# Altium PCB Motion_Driver_v2.PcbDoc (part 1 of 2) (continued)
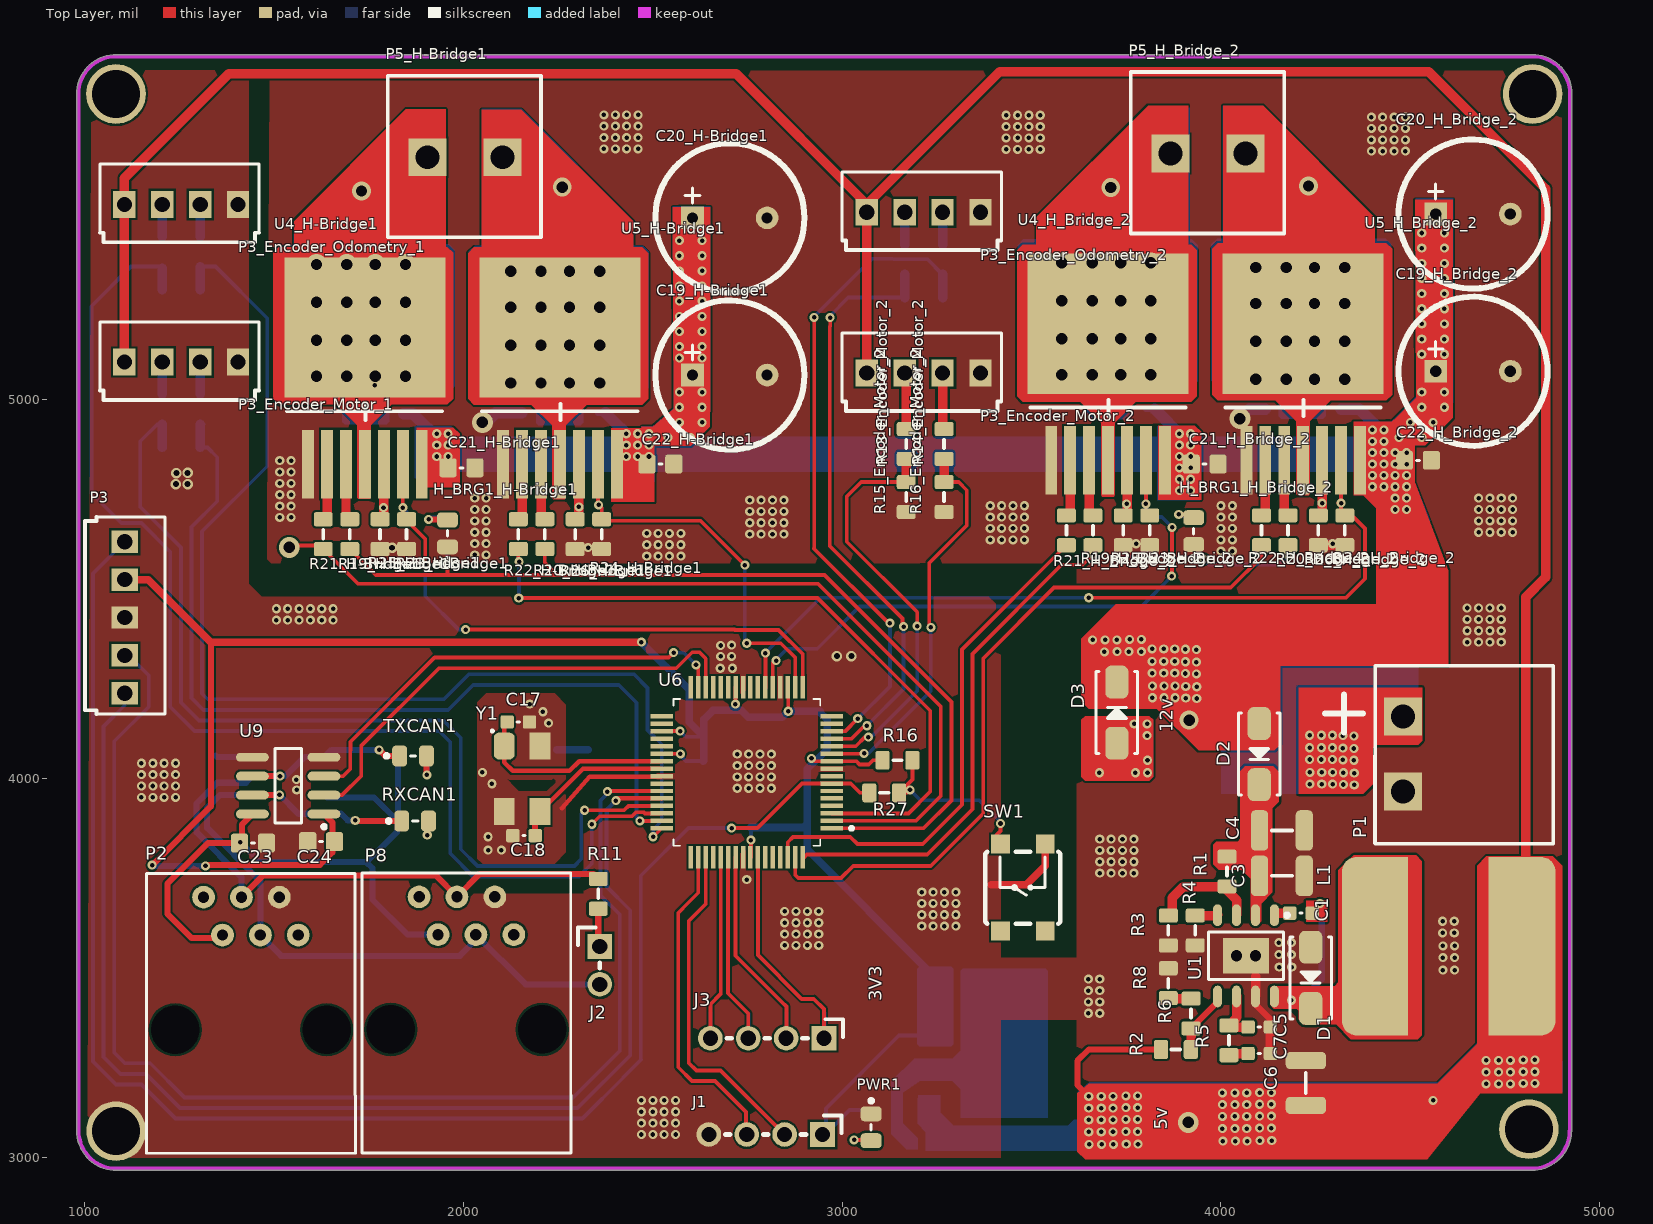
[diagram p0: Top Layer view]
## Components (designator, comment, footprint, x,y, rotation, side; value= is the part's Value field where it differs from the comment) (continued)
R14_Encoder_Motor_2 "2k" RESC2013X38N-0805-NOOVERLAY 3269,4883 r180 top (schematic designator R14)
R14_Encoder_Odometry_1 "2k" RESC2013X38N-0805-NOOVERLAY 1305,5390.63 r0 bottom (schematic designator R14)
R14_Encoder_Odometry_2 "2k" RESC2013X38N-0805-NOOVERLAY 3265,5370 r0 bottom (schematic designator R14)
R15_Encoder_Motor_1 "3k9" RESC2013X38N-0805-NOOVERLAY 1205,4834.37 r0 bottom (schematic designator R15)
R15_Encoder_Motor_2 "3k9" RESC2013X38N-0805-NOOVERLAY 3169,4743 r180 top (schematic designator R15)
R15_Encoder_Odometry_1 "3k9" RESC2013X38N-0805-NOOVERLAY 1205,5250.63 r0 bottom (schematic designator R15)
R15_Encoder_Odometry_2 "3k9" RESC2013X38N-0805-NOOVERLAY 3165,5230 r0 bottom (schematic designator R15)
R16 "10k" RESC2013X38N-0805-NOOVERLAY 3146,4048 r270 top
R16_Encoder_Motor_1 "3k9" RESC2013X38N-0805-NOOVERLAY 1305,4834.37 r0 bottom (schematic designator R16)
R16_Encoder_Motor_2 "3k9" RESC2013X38N-0805-NOOVERLAY 3269,4743 r180 top (schematic designator R16)
R16_Encoder_Odometry_1 "3k9" RESC2013X38N-0805-NOOVERLAY 1305,5250.63 r0 bottom (schematic designator R16)
R16_Encoder_Odometry_2 "3k9" RESC2013X38N-0805-NOOVERLAY 3265,5230 r0 bottom (schematic designator R16)
R17 "10k" RESC2013X38N-0805-NOOVERLAY 2953,3420 r180 bottom
R18_H-Bridge1 "1k" RESC2013X38N-0805-NOOVERLAY 1958,4647 r180 bottom (schematic designator R18)
R18_H_Bridge_2 "1k" RESC2013X38N-0805-NOOVERLAY 3927.98,4653 r180 bottom (schematic designator R18)
R19_H-Bridge1 "10k" RESC2013X38N-0805-NOOVERLAY 1700,4645 r0 top (schematic designator R19)
R19_H_Bridge_2 "10k" RESC2013X38N-0805-NOOVERLAY 3662,4655 r0 top (schematic designator R19)
R20_H-Bridge1 "10k" RESC2013X38N-0805-NOOVERLAY 2215,4645 r0 top (schematic designator R20)
R20_H_Bridge_2 "10k" RESC2013X38N-0805-NOOVERLAY 4177,4655 r0 top (schematic designator R20)
R21_H-Bridge1 "10k" RESC2013X38N-0805-NOOVERLAY 1630,4645 r0 top (schematic designator R21)
R21_H_Bridge_2 "10k" RESC2013X38N-0805-NOOVERLAY 3592,4655 r0 top (schematic designator R21)
R22_H-Bridge1 "10k" RESC2013X38N-0805-NOOVERLAY 2145,4645 r0 top (schematic designator R22)
R22_H_Bridge_2 "10k" RESC2013X38N-0805-NOOVERLAY 4107,4655 r0 top (schematic designator R22)
R23_H-Bridge1 "1k" RESC2013X38N-0805-NOOVERLAY 1850,4645 r180 top (schematic designator R23)
R23_H_Bridge_2 "1k" RESC2013X38N-0805-NOOVERLAY 3812,4655 r180 top (schematic designator R23)
R24_H-Bridge1 "1k" RESC2013X38N-0805-NOOVERLAY 2365,4645 r180 top (schematic designator R24)
R24_H_Bridge_2 "1k" RESC2013X38N-0805-NOOVERLAY 4327,4655 r180 top (schematic designator R24)
R25_H-Bridge1 "470R" RESC2013X38N-0805-NOOVERLAY 1780,4645 r180 top (schematic designator R25)
R25_H_Bridge_2 "470R" RESC2013X38N-0805-NOOVERLAY 3742,4655 r180 top (schematic designator R25)
R26_H-Bridge1 "470R" RESC2013X38N-0805-NOOVERLAY 2295,4645 r180 top (schematic designator R26)
R26_H_Bridge_2 "470R" RESC2013X38N-0805-NOOVERLAY 4257,4655 r180 top (schematic designator R26)
R27 "1k" RESC2013X38N-0805-NOOVERLAY 3111,3962 r270 top
R28 "10k" RESC2013X38N-0805-NOOVERLAY 2853,3419 r180 bottom
R29 "10k" RESC2013X38N-0805-NOOVERLAY 2753,3419 r180 bottom
R30 "10k" RESC2013X38N-0805-NOOVERLAY 2652,3419 r180 bottom
RXCAN1 "LED GREEN" LED_GREEN_0805 1872.5,3887.59 r0 top
SW1 "TASTER" TASTER_SMD 3477,3712 r270 top
TXCAN1 "LED GREEN" LED_GREEN_0805 1867.09,4059.39 r0 top
U1 "TPS54340" HSOP-8 4066.06,3531.62 r270 top
U2 "SN65HVD230DR" SOIC-8 1538,3981.37 r180 bottom
U3 "LM2937-5" SOT223 3366,3231 r90 bottom
U4_H-Bridge1 "BTN8962TAAUMA1" TO263-7 1574.25,4739.45 r0 top (schematic designator U4)
U4_H_Bridge_2 "BTN8962TAAUMA1" TO263-7 3536.25,4749.45 r0 top (schematic designator U4)
U5_H-Bridge1 "BTN8962TAAUMA1" TO263-7 2089.25,4739.45 r0 top (schematic designator U5)
U5_H_Bridge_2 "BTN8962TAAUMA1" TO263-7 4051.25,4749.45 r0 top (schematic designator U5)
U6 "PIC32MK1024MCF064" TQFP-64-500um 2748.04,4016.05 r90 top
U9 "ADUM1201BRZ-RL7" SOIC-8 1537,3981.37 r180 top
Y1 "8Hz" ABM10 2155,3999 r270 top

## Footprints (in the part's own frame and the unit in brackets; to place one, negate y for a bottom-side part, rotate by r counter-clockwise, add the part's x,y. Pads: shape width x height; smd on the part's side, far side on the other; paste and mask are expansions set on the pad)
ABM10 [mm] "0.098\" L x 0.079\" W (2.50mm x 2.00mm)"
  rrect50% 1.8x1.4 smd: 1(-2.2,-1.2)
  rect 1.8x1.4 smd: 2(2.2,-1.2) 3(2.2,1.2) 4(-2.2,1.2)
  silkscreen extent -3.24,-2.04 -3.16,-1.96, body extent -3,-1.7 3,1.9, height 1.21
CAP10X20_RADIAL [mil]
  rect 60x60 hole 29.53 paste-45.28: 1(0,0)
  round 60 hole 29.53 paste-45.28: 2(196.85,0)
  silkscreen extent -98,-197 295,197, body extent -98,-197 295,197, height 542
CER_0603 [mm]
  rrect30% 0.9x0.9 smd: 1(0,0.75) 2(0,-0.75)
  silkscreen extent 0,-0.08 0,0.08, body extent -0.4,-0.8 0.4,0.8, height 0.79
CER_0805 [mm]
  rrect30% 1.27x1.15 smd: 1(0,0.9) 2(0,-0.9)
  silkscreen extent 0,-0.1 0,0.1, body extent -0.62,-1 0.63,1, height 0.6
CER_1210 [mm]
  rrect50% 2.7x1.15 smd: 1(0.003,1.474) 2(0.003,-1.526)
  silkscreen extent 0,-0.71 0,0.66, body extent -1.25,-1.6 1.25,1.6, height 1
D2PAK-2 [mil]
  rect 54x183 smd: 1(-102.5,-163.06) 3(97.5,-163.06)
  rect 426x370 smd: 2(-2.5,316.8)
  silkscreen extent -207,-252 202,124, body extent -212,-180 208,445, height 190
DO214AC [mm] "Diode,Molded Body;5.105mm L X 2.665mm W X 2.29mm H"
  rrect50% 2.2x1.55 smd: 1(-2.05,0) 2(2.05,0)
  silkscreen extent -2.75,-1.4 2.75,1.4, body extent -2.75,-1.4 2.75,1.4, height 2.6
HM1x2 [mil] "Single row pin header 1x2, 2.54mm"
  rect 65x65 hole 40: 1(-50,0)
  round 65 hole 40: 2(50,0)
  silkscreen extent -100,-57 7,0, body extent -100,-57 100,57, height 335
HM1X4 [mil] "Contact Mating Length-6.00mm"
  rect 65x65 hole 40: 1(-150,0)
  round 65 hole 40: 2(-50,0) 3(50,0) 4(150,0)
  silkscreen extent -200,-50 107,0, body extent -200,-50 200,50, height 336
HSOP-8 [mm] "SOIC, 8-Leads, Body 4.90x3.90mm, Pitch 1.27mm, Thermal Pad 3.10x2.40mm, IPC Medium Density"
  oval 1.45x0.6 smd: 1(-2.725,1.905) 2(-2.725,0.635) 3(-2.725,-0.635) 4(-2.725,-1.905) 5(2.725,-1.905) 6(2.725,-0.635) 7(2.725,0.635) 8(2.725,1.905)
  rect 2.4x3.1 all layers, no hole: 9(0,0)
  silkscreen extent -2.85,-2.5 1.6,2.88, body extent -3.02,-2.36 3.01,2.34, height 1.7
INDUCTOR_SS1260-103MLD [mil]
  rect 75x472.44 smd: 1(144,15) 2(-144,15)
  rrect50% 157.48x472.44 smd: 1(202,15) 2(-205,15)
  body extent -247,-231 245,261, height 315
LED_GREEN_0805 [mm] "Diode GREEN;2.00mm L X 1.25mm W X 1.20mm H"
  rrect50% 1x1.4 smd: 1(-0.9,0) 2(0.9,0)
  silkscreen extent -1.9,-0.13 0.18,0.13, body extent -1.01,-0.62 1.01,0.63, height 1.1
LED_RED_0805 [mm] "Diode 2.00mm L X 1.25mm W X 1.20mm H"
  rrect50% 1x1.4 smd: 1(-0.9,0) 2(0.9,0)
  silkscreen extent -1.9,-0.13 0.18,0.13, body extent -1.05,-0.67 1.05,0.68, height 0.9
MOTOR_CON [mm]
  rect 2.54x2.54 hole 1.6: 1(0,0) 2(0,5.029)
  silkscreen extent -5.47,-2.67 5.36,7.62, body extent -5.22,-2.54 5.08,7.46, height 14
PWR_Con [mm]
  rect 2.54x2.54 hole 1.6: 1(0,0) 2(0,5.029)
  silkscreen extent -1.88,-3.51 10.06,8.42, body extent -2.01,-3.59 10,8.57, height 8.73
RESC2013X38N-0805-NOOVERLAY [mm] "Resistor,Chip;2.03mm L X 1.27mm W X 0.6mm H"
  rrect30% 1.27x0.95 smd: 1(0,1) 2(0,-1)
  silkscreen extent 0,-0.29 0,0.29, body extent -0.62,-1 0.63,1, height 0.5
RJ11-6N-B [mm] "RJ11 MODULAR JACK 6 POSITION, 1 PORT"
  round 1.524 hole 0.76: 1(7.19,3.76) 2(4.65,2.49) 3(7.19,1.22) 4(4.65,-0.05) 5(7.19,-1.32) 6(4.65,-2.59)
  round 0 hole 3.25: M1(-1.7,5.66) M2(-1.7,-4.5)
  silkscreen extent -9.98,-6.42 8.79,7.58, body extent -9.71,-6.01 8.49,7.29, height 11.5
SOIC-8 [mm]
  oval 2.2x0.6 smd: 1(-2.409,1.914) 2(-2.409,0.644) 3(-2.409,-0.626) 4(-2.409,-1.896) 5(2.391,-1.896) 6(2.391,-0.626) 7(2.391,0.644) 8(2.391,1.914)
  silkscreen extent -2.53,-2.49 0.89,2.89, body extent -2.84,-2.45 2.93,2.45, height 1.45
SOT223 [mm] "SOT-223/SC-73; 4 Leads; Body 6.7 x 7.3 mm, inc. leads (LxW max)"
  rect 1.1x2.15 smd: 1(-2.3,-3.1) 2(0,-3.1) 3(2.3,-3.1)
  rect 3.5x2.15 smd: 4(0,3.1)
  silkscreen extent -3.35,-4.7 3.35,1.63, body extent -3.25,-3.6 3.25,3.4, height 1.7
TANT_1210 [mm]
  rrect50% 2.7x1.15 smd: 1(0.003,1.474) 2(0.003,-1.526)
  silkscreen extent 0,-0.71 0,0.66, body extent -1.4,-1.83 1.4,1.83, height 1.92
TASTER_SMD [mil]
  rect 50x50 smd: 0(115,59.06) 0(115,-59.06) 1(-115,59.06) 2(-115,-59.06)
  silkscreen extent -94,-99 96,99, body extent -124,-99 124,99, height 130
"TE CONNECTIVITY_4PIN_MALE" [mm] "BLUE_4PIN_CONECTOR"
  rect 1.5x1.8 hole 1.016: 1(0,0) 2(2.54,0) 3(5.08,0) 4(7.62,0)
  silkscreen extent -1.65,-2.54 9.02,2.7, body extent -1.27,-2.5 8.89,2.5, height 11.43
"TE CONNECTIVITY_5PIN_MALE" [mm] "BLUE_5PIN_CONECTOR"
  rect 1.5x1.8 hole 1.016: 1(0,0) 2(2.54,0) 3(5.08,0) 4(7.62,0) 5(10.16,0)
  silkscreen extent -1.65,-2.67 11.56,2.7, body extent -1.4,-2.46 11.3,2.54, height 11.43
TO263-7 [mm]
  rect 0.8x4.6 smd: 1(0.4,2.3) 2(1.67,2.3) 3(2.94,2.3) 4(4.21,2.3) 5(5.48,2.3) 6(6.75,2.3) 7(8.02,2.3)
  rect 10.8x9.4 smd: 8(4.21,11.45)
  silkscreen extent -1.02,5.26 9.4,6.35, body extent -0.81,1.02 9.19,16.69, height 4.83
TQFP-64-500um [mm]
  rect 0.3x1.5 smd mask+0: 1(-3.75,-5.7) 2(-3.25,-5.7) 3(-2.75,-5.7) 4(-2.25,-5.7) 5(-1.75,-5.7) 6(-1.25,-5.7) 7(-0.75,-5.7) 8(-0.25,-5.7) 9(0.25,-5.7) 10(0.75,-5.7) 11(1.25,-5.7) 12(1.75,-5.7) 13(2.25,-5.7) 14(2.75,-5.7) 15(3.25,-5.7) 16(3.75,-5.7) 33(3.75,5.7) 34(3.25,5.7) 35(2.75,5.7) 36(2.25,5.7) 37(1.75,5.7) 38(1.25,5.7) 39(0.75,5.7) 40(0.25,5.7) 41(-0.25,5.7) 42(-0.75,5.7) 43(-1.25,5.7) 44(-1.75,5.7) 45(-2.25,5.7) 46(-2.75,5.7) 47(-3.25,5.7) 48(-3.75,5.7)
  rect 1.5x0.3 smd mask+0: 17(5.7,-3.75) 18(5.7,-3.25) 19(5.7,-2.75) 20(5.7,-2.25) 21(5.7,-1.75) 22(5.7,-1.25) 23(5.7,-0.75) 24(5.7,-0.25) 25(5.7,0.25) 26(5.7,0.75) 27(5.7,1.25) 28(5.7,1.75) 29(5.7,2.25) 30(5.7,2.75) 31(5.7,3.25) 32(5.7,3.75) 49(-5.7,3.75) 50(-5.7,3.25) 51(-5.7,2.75) 52(-5.7,2.25) 53(-5.7,1.75) 54(-5.7,1.25) 55(-5.7,0.75) 56(-5.7,0.25) 57(-5.7,-0.25) 58(-5.7,-0.75) 59(-5.7,-1.25) 60(-5.7,-1.75) 61(-5.7,-2.25) 62(-5.7,-2.75) 63(-5.7,-3.25) 64(-5.7,-3.75)
  silkscreen extent -4.92,-7.1 4.92,4.92, body extent -5.79,-5.76 5.79,5.82, height 1

## Part data
C1 C8 C9 C16 C23 C24 C25 C26 C27 C28 C29 C30: library part 06032105, "CAP CER 100n 10V X5R 10% 0603"
C2 C17_H-Bridge1 C17_H_Bridge_2 C18_H-Bridge1 C18_H_Bridge_2 C21_H-Bridge1 C21_H_Bridge_2 C22_H-Bridge1 C22_H_Bridge_2: library part 00002105, "CAP CER 100n 50V X7R 10% 0805"
C3 C4: library part 00001225, "CAP CER 2.2u"
C5: library part 06032680, "CAP CER 68p 0603"
C6: library part 00002108, "CAP CER 100u X5R 6.3V 10% 1210"
C7: library part 06032153, "CAP CER 15n 0603"
C10: library part 00001106, "CAP TANT 10u"
C11_H-Bridge1 C11_H_Bridge_2 C12_H-Bridge1 C12_H_Bridge_2 C13_H-Bridge1 C13_H_Bridge_2 C14_H-Bridge1 C14_H_Bridge_2: library part 00002205, "CAP CER 220n 10V X5R 10% 0805"
C15_H-Bridge1 C15_H_Bridge_2 C16_H-Bridge1 C16_H_Bridge_2: library part 00002105_1, "CAP CER 1n 50V X7R 10% 0805"
C17 C18: library part 00002200, "CAP CER 20p 0805"
C19_H-Bridge1 C19_H_Bridge_2 C20_H-Bridge1 C20_H_Bridge_2: library part 00004707, "CAP ALU 470u 25V 20%"
D1: "DIODE SCHOTTKY 60V 3A DO214AC"
D2: "DIODE SCHOTTKY 40V 3A DO214AC"
D3: library part ZENER, "DIODE ZENER"
H_BRG1_H-Bridge1 H_BRG1_H_Bridge_2 PWR1: library part LED_RED_0805, "LED RED 0805"
J1 J3: library part HEADER_1x4
J2: library part HEADER_1x2
L1: library part Inductor_10uH, "FIXED IND 10uH 5.3A"
P1: library part 00000002, "TERM BLOCK HDR 2POS 90DEG 5.08MM"
P2: library part 00000001
P3: library part "TE CONNECTIVITY_5PIN_MALE", "BLUE_5PIN_CONECTOR"
P3_Encoder_Motor_1 P3_Encoder_Motor_2 P3_Encoder_Odometry_1 P3_Encoder_Odometry_2: "BLUE_4PIN_CONECTOR"
P5_H-Bridge1 P5_H_Bridge_2: library part MOT_CONN, "CONNECTOR FOR MOTOR OUTPUT"
P8: library part 00000001, "CONN MOD JACK 6P4C R/A UNSHLD"
Q1: library part IRF9540N, "P-MOS"
R1: library part 00003303, "RES SMD 330 kOhm 1/8W 0805"
R2: library part 00005102, "RES SMD 51 kOhm 1/8W 0805"
R3: library part 00005602, "RES SMD 56 kOhm 1/8W 0805"
R4: library part 00001603, "RES SMD 160 kOhm 1/8W 0805"
R5: library part 00001502, "RES SMD 15 kOhm 1/8W 0805"
R6: library part 00009101, "RES SMD 9.1 kOhm 1/8W 0805"
R7: library part 00002701, "RES SMD 2.7 kOhm 1/8W 0805"
R8: library part 00006200, "RES SMD 620 Ohm 1/8W 0805"
R9 R10 R13 R18_H-Bridge1 R18_H_Bridge_2 R23_H-Bridge1 R23_H_Bridge_2 R24_H-Bridge1 R24_H_Bridge_2 R27: library part 00001001, "RES SMD 1 kOhm 1/8W 0805"
R11: library part 000001200, "RES SMD 120 Ohm 1/8W 0805"
R12 R16 R17 R19_H-Bridge1 R19_H_Bridge_2 R20_H-Bridge1 R20_H_Bridge_2 R21_H-Bridge1 R21_H_Bridge_2 R22_H-Bridge1 R22_H_Bridge_2 R28 R29 R30: library part 000001002, "RES SMD 10 kOhm 1/8W 0805"
R13_Encoder_Motor_1 R13_Encoder_Motor_2 R13_Encoder_Odometry_1 R13_Encoder_Odometry_2 R14_Encoder_Motor_1 R14_Encoder_Motor_2 R14_Encoder_Odometry_1 R14_Encoder_Odometry_2: library part 00002001, "RES SMD 2 kOhm 1/8W 0805"
R15_Encoder_Motor_1 R15_Encoder_Motor_2 R15_Encoder_Odometry_1 R15_Encoder_Odometry_2 R16_Encoder_Motor_1 R16_Encoder_Motor_2 R16_Encoder_Odometry_1 R16_Encoder_Odometry_2: library part 00003901, "RES SMD 3.9 kOhm 1/8W 0805"
R25_H-Bridge1 R25_H_Bridge_2 R26_H-Bridge1 R26_H_Bridge_2: library part 00004700, "RES SMD 470 Ohm 1/8W 0805"
RXCAN1 TXCAN1: library part "LED_GREEN 0805", "LED GREEN CLEAR 0805 SMD"
U1: "IC REG BUCK ADJ 3.5A 8SOPWRPAD"
U2: library part SN65HVD230, "IC EMC CAN TRANSCEIVER 8-SOIC"
U3: library part 00000007, "IC REG LINEAR 5V 400MA SOT223-4"
U4_H-Bridge1 U4_H_Bridge_2 U5_H-Bridge1 U5_H_Bridge_2: library part 00000010, "IC MOTOR DRIVER PAR TO263-7"
U6: "IC MCU 32BIT 1MB FLASH 64TQFP"
U9: library part ADUM1201BRZ, "DGTL ISO 2.5KV GEN PURP 8SOIC"
Y1: library part QUARTZ_8MHz, "CRYSTAL 8.0000MHZ 18PF SMD"

## Free pads (board coordinates)
  round 157.48 hole 125.98: ""(1082.68,5807.09) ""(1083.01,3068.91) ""(4813,3074) ""(4822.83,5807.09)

## Via types
v1: diameter 24, hole 12, Top Layer to Bottom Layer, 406 vias
v2: diameter 24, hole 12, Top Layer to Bottom Layer, tented both sides, 206 vias
v3: diameter 55, hole 30, Top Layer to Bottom Layer, tented both sides, 64 vias
v4: diameter 27.56, hole 15.75, Top Layer to Bottom Layer, tented both sides, 7 vias
v5: diameter 50, hole 30, Top Layer to Bottom Layer, 7 vias
v6: diameter 55, hole 30, Top Layer to Bottom Layer, 4 vias

## Nets (pads, with @x,y where several pads share a name; then routed paths per layer and width w, separated by ;. In a path a pad name is that pad's centre, name@x,y a point inside that pad or via, vN(x,y) a via of type N, cw(c..) or ccw(c..) an arc to the next point about the centre after c; other vN are vias at no path point)
CAN-3V3: C8.2 C24.2 P2.2 P8.2 R9.2 R10.2 U2.3 U9.8 | length 1781.7
  Top Layer w16: P2.2@1363.97,3586.5 1363.97,3578.39 1282.4,3578.39 1218.4,3642.39 1218.4,3722.39 1325.4,3829.39 1414.87,3829.39 C24.2@1414.87,3840.91 ; 1414.87,3854.39 1414.87,3878.02 U9.8@1442.86,3906
  Bottom Layer w16: v1(1410.93,3831.35) 1462.89,3779.39 1744.4,3779.39 ; U2.3@1632.83,3956.74 1639.62,3949.95 C8.2@1737.4,3949.95 1763.77,3949.95 R9.2@1826.14,3887.59 ; R10.2@1827.72,4056.39 1827.72,3889.17 R9.2@1826.14,3887.59 ; P8.2@1932.97,3587.44 1852.56,3587.44 1760,3680 1760,3762.98 1744,3778.98 1744.4,3779.39 ; 1744.4,3779.39 1826.14,3861.12 R9.2@1826.14,3887.59
CAN_RX: U6.30 U9.2 | length 1292.9
  Top Layer w10: U9.2@1631.83,3956 1679.79,3956 1729.4,4005.61 ; 1730,4005.61 1730,4085.34 1935.66,4291 2536,4291 2562,4291 2604,4333 2623,4333 2639.77,4316.23 U6.30@2639.77,4240.46
CAN_TX: U6.31 U9.3 | length 1234.3
  Top Layer w10: U9.3@1631.83,4006 1682.37,4006 1701.4,4025.03 1701.4,4074.34 1702,4074.94 1702,4096.94 1924.06,4319 2542,4319 v2(2555,4332) ; v2(2614,4300) 2620.09,4293.91 U6.31@2620.09,4240.46
  Bottom Layer w10: v2(2555,4332) 2582,4332 v2(2614,4300)
EMA1: R13_Encoder_Motor_1.1 R15_Encoder_Motor_1.2 U6.45 | length 2628.5
  Top Layer w10: v2(2320,3916) 2424.22,3916 2435.7,3927.47 U6.45@2523.64,3927.47
  Bottom Layer w10: R13_Encoder_Motor_1.1@1205,4935 1192,4935 1147,4890 1147,4716.84 1254,4609.84 1254,4200.6 1301.6,4153 1947.6,4153 1993,4107.6 1993,3813.07 2037.07,3769 2293,3769 2311,3787 2311,3907 v2(2320,3916)
  Bottom Layer w25: R15_Encoder_Motor_1.2@1205,4873.74 R13_Encoder_Motor_1.1@1205,4935
EMA2: R13_Encoder_Motor_2.1 R15_Encoder_Motor_2.2 U6.12 | length 1126.2
  Top Layer w10: U6.12@2972.45,4084.95 3035.95,4084.95 3060,4109 v2(3069,4109) ; R15_Encoder_Motor_2.2@3169,4782.37 3050.37,4782.37 3012,4744 3012,4625 3198,4439 v2(3198,4402)
  Top Layer w25: R15_Encoder_Motor_2.2@3169,4782.37 R13_Encoder_Motor_2.1@3169,4843.63
  Bottom Layer w10: v2(3069,4109) 3062,4109 3061,4110 3077.01,4110 3198,4230.99 v2(3198,4402)
EMB1: R14_Encoder_Motor_1.1 R16_Encoder_Motor_1.2 U6.47 | length 2397.8
  Top Layer w10: v1(2466,3888) 2523.53,3888 U6.47@2523.64,3888.1
  Bottom Layer w10: R16_Encoder_Motor_1.2@1305,4873.74 1324.26,4873.74 1350,4848 1350,4732 1282,4664 1282,4212.2 1313.2,4181 1960,4181 2026,4247 2410,4247 2457,4200 2457,3897 v1(2466,3888) ; R14_Encoder_Motor_1.1@1305,4935 R14_Encoder_Motor_1.1@1313.74,4935
  Bottom Layer w25: R16_Encoder_Motor_1.2@1305,4873.74 R14_Encoder_Motor_1.1@1305,4935
EMB2: R14_Encoder_Motor_2.1 R16_Encoder_Motor_2.2 U6.11 | length 1034.1
  Top Layer w10: U6.11@2972.45,4065.26 3057.27,4065.26 v2(3058.01,4066) ; v2(3234,4399) 3232,4399 3230,4401 3230,4569 3329,4668 3329,4761 3307.63,4782.37 R16_Encoder_Motor_2.2@3269,4782.37
  Top Layer w25: R16_Encoder_Motor_2.2@3269,4782.37 R14_Encoder_Motor_2.1@3269,4843.63
  Bottom Layer w10: v2(3058.01,4066) 3069,4066 3234,4231 v2(3234,4399)
EOA1: R13_Encoder_Odometry_1.1 R15_Encoder_Odometry_1.2 U6.46 | length 3255.2
  Top Layer w10: v2(2339,3879) 2360,3900 2445.47,3900 2456.47,3911 2475.53,3911 2478.75,3907.78 U6.46@2523.64,3907.78
  Bottom Layer w10: R13_Encoder_Odometry_1.1@1205,5347.52 R13_Encoder_Odometry_1.1@1205,5351.26 1122.51,5351.26 1018,5246.75 1018,4753 1096.47,4674.53 1149.72,4674.53 1226,4598.24 1226,4189 1290,4125 1936,4125 1965,4096 1965,3801.47 2025.47,3741 2305.24,3741 2339,3774.76 v2(2339,3879)
  Bottom Layer w25: R15_Encoder_Odometry_1.2@1205,5290 R13_Encoder_Odometry_1.1@1205,5347.52
EOA2: R13_Encoder_Odometry_2.1 R15_Encoder_Odometry_2.2 U6.13 | length 1588.5
  Top Layer w10: v1(2968.3,5216.7) 2968.3,5194.3 2967.25,5193.25 2967.25,4614 3159,4422.25 3159,4404 v2(3162,4401) ; U6.13@2972.45,4104.63 3024.63,4104.63 3059,4139 v2(3065,4139)
  Bottom Layer w10: v1(2968.3,5216.7) 2968.3,5221.7 3015.97,5269.37 R15_Encoder_Odometry_2.2@3165,5269.37 ; v2(3065,4139) 3162,4236 v2(3162,4401)
  Bottom Layer w25: R15_Encoder_Odometry_2.2@3165,5269.37 R13_Encoder_Odometry_2.1@3165,5330.63
EOB1: R14_Encoder_Odometry_1.1 R16_Encoder_Odometry_1.2 U6.48 | length 3031.4
  Top Layer w10: v2(2501,3846) 2501.22,3846 U6.48@2523.64,3868.41
  Bottom Layer w10: R14_Encoder_Odometry_1.1@1305,5351.26 1345.74,5351.26 1482,5215 1482,4824.4 1310,4652.4 1310,4223.79 1324.79,4209 1948.4,4209 2014.4,4275 2450.01,4275 2486,4239.01 2486,4128 2523.64,4090.36 2523.64,3888.1 2501,3865.47 v2(2501,3846)
  Bottom Layer w25: R16_Encoder_Odometry_1.2@1305,5290 R14_Encoder_Odometry_1.1@1305,5351.26
EOB2: R14_Encoder_Odometry_2.1 R16_Encoder_Odometry_2.2 U6.14 | length 1746.3
  Top Layer w10: v2(2926,5217) 2926,4608 2925,4607 3122,4410 v2(3126,4410) ; U6.14@2972.45,4124.32 3007.32,4124.32 v2(3041,4158)
  Bottom Layer w10: v2(2926,5217) 2925,5218 3079,5372 3133.67,5372 3135,5370.67 3224.96,5370.67 R14_Encoder_Odometry_2.1@3265,5330.63 ; v2(3041,4158) 3126,4243 v2(3126,4410)
  Bottom Layer w25: R16_Encoder_Odometry_2.2@3265,5269.37 R14_Encoder_Odometry_2.1@3265,5330.63
EXTINT1: J3.2 R28.2 U6.55 | length 600.2
  Top Layer w10: U6.55@2718.51,3791.64 2718.51,3531.86 2848.37,3402 2849,3402 2853,3398 2853,3315 J3.2@2852,3314
  Bottom Layer w10: J3.2@2852,3314 2853,3315 R28.2@2853,3379.63
EXTINT2: J3.1 R17.2 U6.58 | length 635.7
  Top Layer w10: U6.58@2777.57,3791.64 2777.57,3533.43 2893,3418 2925,3418 2952,3391 J3.1@2952,3314
  Bottom Layer w10: J3.1@2952,3314 2953,3315 R17.2@2953,3380.63
EXTINT3: J3.3 R29.2 U6.54 | length 565.7
  Top Layer w10: U6.54@2698.83,3791.64 2698.83,3432.8 2752,3379.63 J3.3@2752,3314
  Bottom Layer w10: J3.3@2752,3314 2753,3315 R29.2@2753,3379.63
EXTINT4: J3.4 R30.2 U6.53 | length 554.5
  Top Layer w10: J3.4@2652,3314 2652,3403.86 2679.14,3431 U6.53@2679.14,3791.64
  Bottom Layer w10: J3.4@2652,3314 R30.2@2652,3379.63
GND: C3.1 C4.1 C5.1 C6.1 C7.1 C8.1 C9.1 C10.2 C13_H-Bridge1.1 C13_H_Bridge_2.1 C14_H-Bridge1.1 C14_H_Bridge_2.1 C15_H-Bridge1.1 C15_H_Bridge_2.1 C16.1 C16_H-Bridge1.1 C16_H_Bridge_2.1 C17.1 C17_H-Bridge1.1 C17_H_Bridge_2.1 C18.1 C18_H-Bridge1.1 C18_H_Bridge_2.1 C19_H-Bridge1.2 C19_H_Bridge_2.2 C20_H-Bridge1.2 C20_H_Bridge_2.2 C21_H-Bridge1.1 C21_H_Bridge_2.1 C22_H-Bridge1.1 C22_H_Bridge_2.1 C23.1 C24.1 C25.1 C26.1 C27.1 C28.1 C29.1 C30.1 D1.2 H_BRG1_H-Bridge1.1 H_BRG1_H_Bridge_2.1 J1.4 P1.1 P2.5 P3.3 P3_Encoder_Motor_1.4 P3_Encoder_Motor_2.4 P3_Encoder_Odometry_1.4 P3_Encoder_Odometry_2.4 P8.5 pad.@1083.01,3068.91 PWR1.1 R3.1 R4.1 R7.1 R8.1 R12.1 R15_Encoder_Motor_1.1 R15_Encoder_Motor_2.1 R15_Encoder_Odometry_1.1 R15_Encoder_Odometry_2.1 R16_Encoder_Motor_1.1 R16_Encoder_Motor_2.1 R16_Encoder_Odometry_1.1 R16_Encoder_Odometry_2.1 R17.1 R23_H-Bridge1.1 R23_H_Bridge_2.1 R24_H-Bridge1.1 R24_H_Bridge_2.1 R25_H-Bridge1.1 R25_H_Bridge_2.1 R26_H-Bridge1.1 R26_H_Bridge_2.1 R28.1 R29.1 R30.1 SW1.1 U1.7 U1.9 U2.2 U3.2 U3.4 U4_H-Bridge1.1 U4_H_Bridge_2.1 U5_H-Bridge1.1 U5_H_Bridge_2.1 U6.9 U6.20 U6.25 U6.41 U6.56 U9.4 U9.5 Y1.2 Y1.4 | length 1094.9
  Top Layer w12: 2260,3921 2334,4005 2522.42,4005 U6.41@2523.64,4006.21
  Top Layer w16: U1.7@4092,3425.72 4092,3403 4130.58,3364.42 C5.1@4130.58,3343.71
  Top Layer w20: 3393,3719 3486,3719 3536.06,3769.06 SW1.1@3536.06,3827
  Top Layer w25: U1.7@4092,3425.72 4092,3478 ; C7.1@4130.58,3273.71 C5.1@4130.58,3343.71 ; R26_H_Bridge_2.1@4257,4615.63 v2@4295,4615.63
  Bottom Layer w20: 2247,4076 2330,4076
  Bottom Layer w25: v6(2050,4940) v6@2060.55,4940 ; C18_H_Bridge_2.1@4257,4619.57 v2(4295,4619.57)
  Bottom Layer w30: v6@2060.55,4940 2085.55,4965 C14_H-Bridge1.1@2154.57,4965 ; v6(4050,4950) 4075,4975 C14_H_Bridge_2.1@4116.57,4975
  other v1: 2470,3060 2500,3060 2530,3060 2560,3060 2470,3090 2500,3090 2530,3090 2560,3090 2470,3120 2500,3120 2530,3120 2560,3120 2470,3150 2500,3150 2530,3150 2560,3150 3650,3380 3680,3380 3650,3410 3680,3410 3650,3440 3680,3440 3650,3470 3680,3470 2848,3559 2878,3559 2908,3559 2938,3559 2848,3589 2878,3589 2908,3589 2938,3589 3210,3610 3240,3610 3270,3610 3300,3610 2848,3619 2878,3619 2908,3619 2938,3619 3210,3640 3240,3640 3270,3640 3300,3640 2848,3649 2878,3649 2908,3649 2938,3649 3210,3670 3240,3670 3270,3670 3300,3670 3210,3700 3240,3700 3270,3700 3300,3700 2748,3733 3680,3750 3710,3750 3740,3750 3770,3750 3680,3780 3710,3780 3740,3780 3770,3780 3680,3810 3710,3810 3740,3810 3770,3810 3680,3840 3710,3840 3740,3840 3770,3840 1150,3950 1180,3950 1210,3950 1240,3950 1560,3970 2723,3974 2753,3974 2783,3974 2813,3974 1150,3980 1180,3980 1210,3980 1240,3980 1559,3997 2723,4004 2753,4004 2783,4004 2813,4004 1150,4010 1180,4010 1210,4010 1240,4010 2723,4034 2753,4034 2783,4034 2813,4034 1150,4040 1180,4040 1210,4040 1240,4040 2723,4064 2753,4064 2783,4064 2813,4064 2678,4291 2710,4291 2679,4322 2708,4322 2679,4351 2708,4352 4650,4360 4680,4360 4710,4360 4740,4360 4650,4390 4680,4390 4710,4390 4740,4390 1506,4418 1536,4418 1566,4418 1596,4418 1626,4418 1656,4418 4650,4420 4680,4420 4710,4420 4740,4420 1506,4448 1536,4448 1566,4448 1596,4448 1626,4448 1656,4448 4650,4450 4680,4450 4710,4450 4740,4450 2484,4587 2514,4587 2544,4587 2574,4587 2030,4590 2060,4590 4000,4600 4030,4600 2484,4617 2514,4617 2544,4617 2574,4617 2030,4620 2060,4620 3391,4630 3421,4630 3451,4630 3481,4630 4000,4630 4030,4630 2756,4645 2786,4645 2816,4645 2846,4645 2484,4647 2514,4647 2544,4647 2574,4647 2030,4650 2060,4650 4680,4650 4710,4650 4740,4650 4770,4650 3391,4660 3421,4660 3451,4660 3481,4660 4000,4660 4030,4660 2756,4675 2786,4675 2816,4675 2846,4675 2030,4680 2060,4680 4680,4680 4710,4680 4740,4680 4770,4680 1515,4689 1545,4689 3391,4690 3421,4690 3451,4690 3481,4690 4000,4690 4030,4690 2756,4705 2786,4705 2816,4705 2846,4705 2030,4710 2060,4710 4680,4710 4710,4710 4740,4710 4770,4710 1515,4719 1545,4719 3391,4720 3421,4720 3451,4720 3481,4720 4000,4720 4030,4720 2756,4735 2786,4735 2816,4735 2846,4735 2030,4740 2060,4740 4680,4740 4710,4740 4740,4740 4770,4740 1515,4749 1545,4749 1515,4779 1545,4779 1515,4809 1545,4809 1515,4839 1545,4839 4397,5656 4427,5656 4457,5656 4487,5656 3433,5661 3463,5661 3493,5661 3523,5661 2371,5662 2401,5662 2431,5662 2461,5662 4397,5686 4427,5686 4457,5686 4487,5686 3433,5691 3463,5691 3493,5691 3523,5691 2371,5692 2401,5692 2431,5692 2461,5692 4397,5716 4427,5716 4457,5716 4487,5716 3433,5721 3463,5721 3493,5721 3523,5721 2371,5722 2401,5722 2431,5722 2461,5722 4397,5746 4427,5746 4457,5746 4487,5746 3433,5751 3463,5751 3493,5751 3523,5751 2371,5752 2401,5752 2431,5752 2461,5752
  other v2: 4586,3494 4617,3494 4154,3501.71 4187,3501.71 4586,3527 4617,3527 4153,3534.71 4186,3534.71 4586,3558 4617,3558 4153,3566.71 4186,3566.71 4585,3592 4616,3592 4585,3623 4616,3623 2065,3811 2100,3811 2065,3846 2075,3986 2050,4016 2225,4146 2210,4176 2175,4196 2329,4609.57 3776,4619.57
  other v4: 2986,4323 3024,4323 1812,4609 1241,4777 1272,4777 1242,4806 1272,4807
  other v5: 4041.06,3531.62 4091.06,3531.62
INA1: R21_H-Bridge1.2 U6.2 | length 2450
  Top Layer w10: v6(1540,4610) 1545.1,4615.1 1620.53,4615.1 R21_H-Bridge1.2@1630,4605.63 1721.53,4514.1 2936.5,4514.1 3260.26,4190.34 3260.26,3953.66 3194.7,3888.1 3125.9,3888.1 U6.2@2972.45,3888.1